# Altium PCB MAIN_BOARD_V3.PcbDoc (part 3 of 4) (continued)
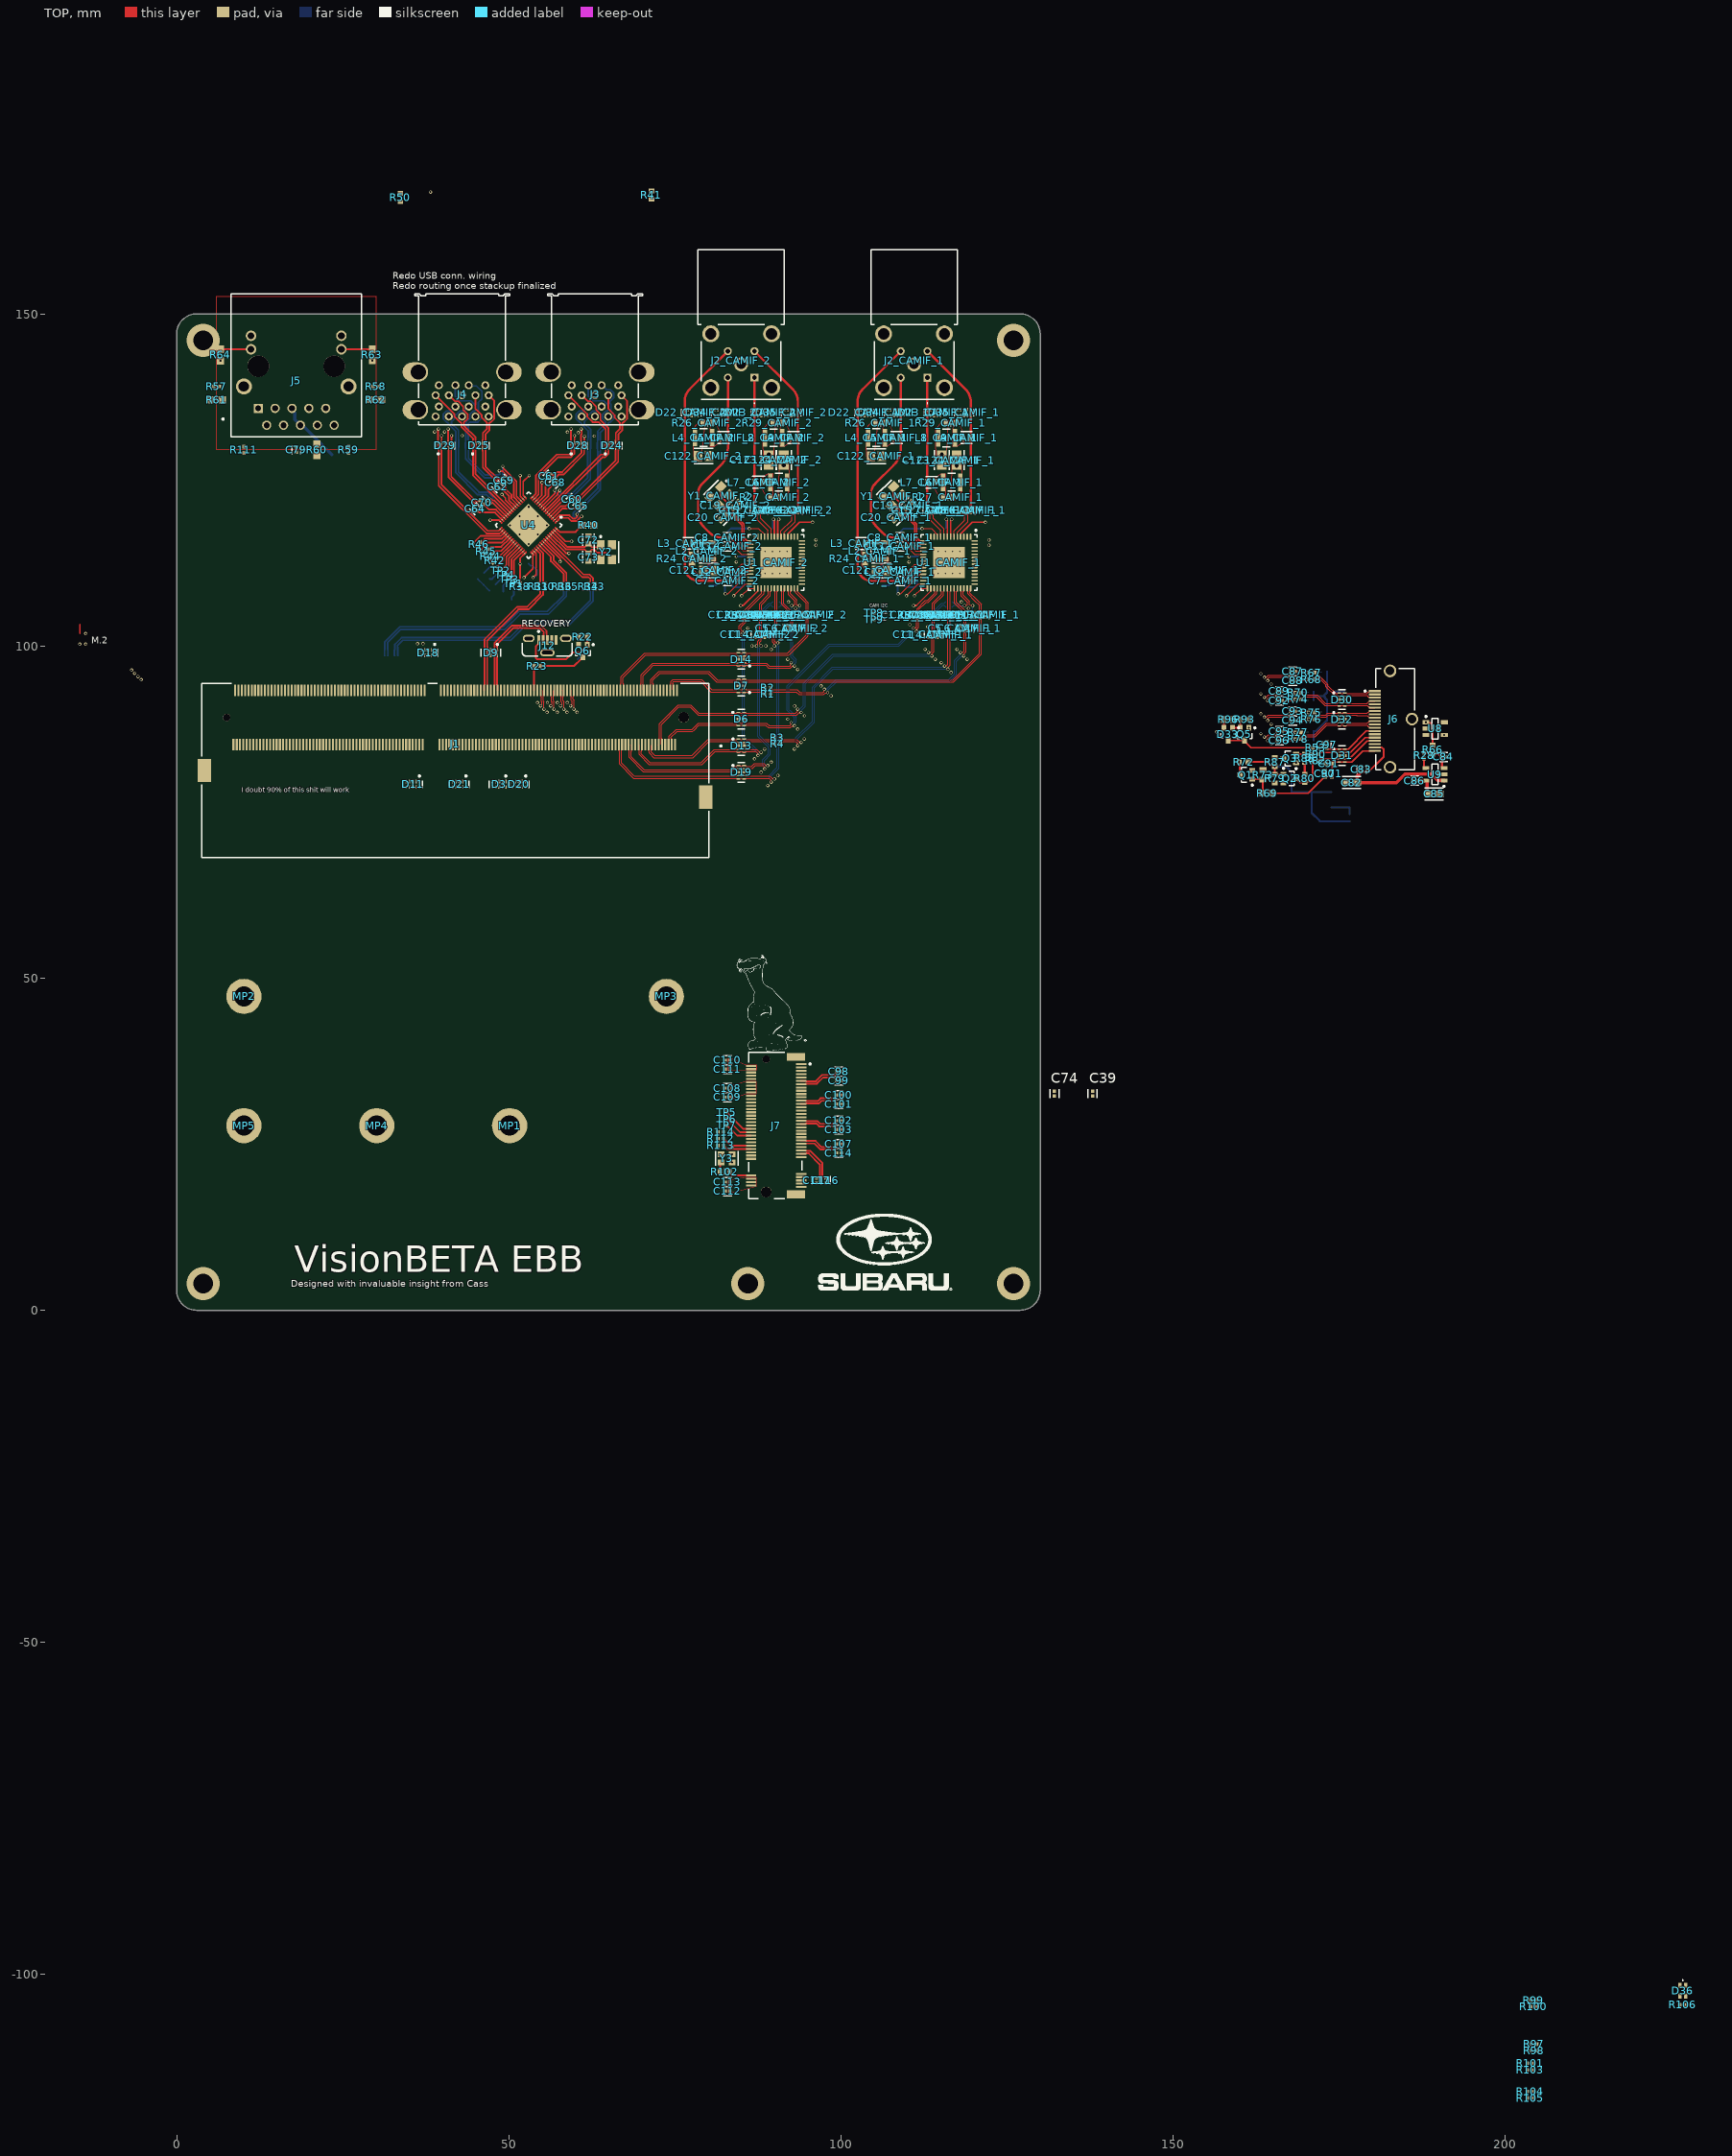
[diagram p0: TOP view]
## Nets (pads, with @x,y where several pads share a name; then routed paths per layer and width w, separated by ;. In a path a pad name is that pad's centre, name@x,y a point inside that pad or via, vN(x,y) a via of type N, cw(c..) or ccw(c..) an arc to the next point about the centre after c; other vN are vias at no path point) (continued)
  TOP w0.168: U1_CAMIF_2.36@90.495,108.7 90.495,108.328 90.392,108.225 90.392,107.012 90.392,105.373 90.49,105.274 90.767,105.274 90.92,105.122 C4_CAMIF_2.2@90.92,105.088
DA1_CAMIF_2_P: C3_CAMIF_2.2 U1_CAMIF_2.35 | length 4
  TOP w0.168: C3_CAMIF_2.2@89.57,105.088 89.57,105.122 89.722,105.274 89.999,105.274 90.097,105.373 90.097,107.134 90.097,108.225 89.995,108.328 U1_CAMIF_2.35@89.995,108.7
DA2_CAMIF_1_N: C6_CAMIF_1.2 U1_CAMIF_1.38 | length 6.6
  TOP w0.168: U1_CAMIF_1.38@117.519,108.692 117.519,108.32 117.416,108.217 117.416,106.586 118.816,105.186 118.816,103.346 118.914,103.248 119.192,103.248 119.344,103.095 C6_CAMIF_1.2@119.344,103.062
DA2_CAMIF_1_P: C5_CAMIF_1.2 U1_CAMIF_1.37 | length 6.6
  TOP w0.168: U1_CAMIF_1.37@117.019,108.692 117.019,108.32 117.122,108.217 117.122,106.464 118.522,105.064 118.522,103.346 118.423,103.248 118.146,103.248 117.994,103.095 C5_CAMIF_1.2@117.994,103.062
DA2_CAMIF_2_N: C6_CAMIF_2.2 U1_CAMIF_2.38 | length 6.7
  TOP w0.168: U1_CAMIF_2.38@91.495,108.7 91.495,108.328 91.392,108.225 91.392,106.391 92.792,104.991 92.792,103.168 92.89,103.07 C6_CAMIF_2.2@93.32,103.07
DA2_CAMIF_2_P: C5_CAMIF_2.2 U1_CAMIF_2.37 | length 6.7
  TOP w0.168: U1_CAMIF_2.37@90.995,108.7 90.995,108.328 91.097,108.225 91.097,106.269 92.497,104.869 92.497,103.168 92.399,103.07 C5_CAMIF_2.2@91.97,103.07
DA3_CAMIF_1_N: C10_CAMIF_1.2 U1_CAMIF_1.42 | length 4.8
  TOP w0.168: U1_CAMIF_1.42@119.519,108.692 119.519,108.32 119.416,108.217 119.416,107.975 120.198,107.194 121.116,106.275 121.116,105.34 121.214,105.242 121.492,105.242 121.644,105.089 C10_CAMIF_1.2@121.644,105.056
DA3_CAMIF_1_P: C9_CAMIF_1.2 U1_CAMIF_1.41 | length 4.8
  TOP w0.168: U1_CAMIF_1.41@119.019,108.692 119.019,108.32 119.122,108.217 119.122,107.853 120.076,106.899 120.822,106.153 120.822,105.34 120.723,105.242 120.446,105.242 120.294,105.089 C9_CAMIF_1.2@120.294,105.056
DA3_CAMIF_2_N: C10_CAMIF_2.2 U1_CAMIF_2.42 | length 4.7
  TOP w0.168: U1_CAMIF_2.42@93.495,108.7 93.479,108.685 93.479,108.138 94.174,107.443 95.092,106.525 95.092,105.348 95.19,105.249 95.467,105.249 95.62,105.097 C10_CAMIF_2.2@95.62,105.063
DA3_CAMIF_2_P: C9_CAMIF_2.2 U1_CAMIF_2.41 | length 4.8
  TOP w0.168: U1_CAMIF_2.41@92.995,108.7 92.995,108.328 93.185,108.138 93.185,108.016 94.052,107.149 94.797,106.403 94.797,105.348 94.699,105.249 94.422,105.249 94.27,105.097 C9_CAMIF_2.2@94.27,105.063
DP1_AUX_N: D20.4 D20.7 J1.98 Q2.2 R79.1
DP1_AUX_P: D20.5 D20.6 J1.100 Q3.3 R87.1
DP1_HPD: D20.2 D20.9 J1.96 Q1.3 R72.1 | length 2
  TOP w0.168: v1(159.975,82.55) R72.1@160.025,82.5
  TOP w0.3: Q1.3@160.025,80.6 R72.1@160.025,82.5
  other v1: 156.53,87.055
DP1_TXD0_N: C88.1 D8.1 D8.10 J1.63 | length 7.3
  TOP w0.168: v1(59.8,90.5) 59.8,91.859 59.697,91.961 59.697,92.367 59.734,92.403 59.734,93.284 J1.63@59.8,93.35 ; v1(164.254,94.779) 164.283,94.808 164.283,95.123 164.492,95.331 167.569,95.331 167.667,95.233 C88.1@167.667,94.779
DP1_TXD0_P: C87.1 D8.2 D8.9 J1.65 | length 7.1
  TOP w0.168: v1(59.3,91) 59.3,91.059 59.505,91.264 59.505,91.737 59.403,91.839 59.403,92.367 59.366,92.403 59.366,93.284 J1.65@59.3,93.35 ; v1(163.731,95.301) 163.76,95.331 164.075,95.331 164.37,95.626 167.569,95.626 167.667,95.724 C87.1@167.667,96.179
DP1_TXD1_N: C92.1 D8.4 D8.7 J1.69 | length 5.3
  TOP w0.168: v1(58.3,90.5) v1(58.3,90.5) 58.301,91.65 58.197,91.754 58.197,92.367 58.234,92.403 58.234,93.284 J1.69@58.3,93.35 ; v1(164.254,91.779) 164.283,91.808 164.283,92.123 164.492,92.331 165.569,92.331 165.667,92.233 C92.1@165.667,91.779
DP1_TXD1_P: C89.1 D8.5 D8.6 J1.71 | length 5.1
  TOP w0.168: v1(57.8,91) 57.8,91.058 58.007,91.264 58.007,91.528 57.903,91.632 57.903,92.367 57.866,92.403 57.866,93.284 J1.71@57.8,93.35 ; v1(163.731,92.301) 163.76,92.331 164.075,92.331 164.37,92.626 165.569,92.626 165.667,92.724 C89.1@165.667,93.179
DP1_TXD2_N: C94.1 D15.1 D15.10 J1.75 | length 7.3
  TOP w0.168: v1(56.8,90.5) 56.801,90.501 56.801,91.65 56.697,91.754 56.697,92.367 56.734,92.403 56.734,93.284 J1.75@56.8,93.35 ; v1(164.254,88.779) 164.283,88.808 164.283,89.123 164.492,89.331 167.569,89.331 167.667,89.233 C94.1@167.667,88.779
DP1_TXD2_P: C93.1 D15.2 D15.9 J1.77 | length 7.1
  TOP w0.168: v1(56.3,91) 56.3,91.058 56.507,91.264 56.507,91.528 56.403,91.632 56.403,92.367 56.366,92.403 56.366,93.284 J1.77@56.3,93.35 ; v1(163.731,89.301) 163.76,89.331 164.075,89.331 164.37,89.626 167.569,89.626 167.667,89.724 C93.1@167.667,90.179
DP1_TXD3_N: C96.1 D15.4 D15.7 J1.81 | length 5.3
  TOP w0.168: v1(55.3,90.5) v1(55.3,90.5) 55.301,91.65 55.197,91.754 55.197,92.367 55.234,92.403 55.234,93.284 J1.81@55.3,93.35 ; v1(164.254,85.779) 164.283,85.808 164.283,86.123 164.492,86.331 165.569,86.331 165.667,86.233 C96.1@165.667,85.779
DP1_TXD3_P: C95.1 D15.5 D15.6 J1.83 | length 5.1
  TOP w0.168: v1(54.8,91) 54.8,91.058 55.007,91.264 55.007,91.528 54.903,91.632 54.903,92.367 54.866,92.403 54.866,93.284 J1.83@54.8,93.35 ; v1(163.731,86.301) 163.76,86.331 164.075,86.331 164.37,86.626 165.569,86.626 165.667,86.724 C95.1@165.667,87.179
DP_HDMI_CEC: D20.1 D20.10 J1.94 R93.1
ETH_GND: C79.1 J5.11 J5.12 R57.2 R58.2 R59.2 R60.2 R61.2 R62.2 R111.2
GBE_LED_ACT: J1.194 J5.L4
GBE_LED_LINK: J1.188 J5.L2
GBE_MDI0_N: D5.1 D5.10 J1.184 J5.2
GBE_MDI0_P: D5.2 D5.9 J1.186 J5.1
GBE_MDI1_N: D5.4 D5.7 J1.190 J5.4
GBE_MDI1_P: D5.5 D5.6 J1.192 J5.3
GBE_MDI2_N: D12.1 D12.10 J1.196 J5.8
GBE_MDI2_P: D12.2 D12.9 J1.198 J5.7
GBE_MDI3_N: D12.4 D12.7 J1.202 J5.10
GBE_MDI3_P: D12.5 D12.6 J1.204 J5.9
GND: C19_CAMIF_1.2 C19_CAMIF_2.2 C20_CAMIF_1.2 C20_CAMIF_2.2 C21_CAMIF_1.2 C21_CAMIF_2.2 C22_CAMIF_1.1 C22_CAMIF_2.1 C23_CAMIF_1.2 C23_CAMIF_2.2 C24_CAMIF_1.1 C24_CAMIF_2.1 C25_CAMIF_1.2 C25_CAMIF_2.2 C26_CAMIF_1.1 C26_CAMIF_2.1 C27_CAMIF_1.2 C27_CAMIF_2.2 C28_CAMIF_1.1 C28_CAMIF_2.1 C29_CAMIF_1.2 C29_CAMIF_2.2 C30_CAMIF_1.1 C30_CAMIF_2.1 C31_CAMIF_1.2 C31_CAMIF_2.2 C32_CAMIF_1.1 C32_CAMIF_2.1 C33_CAMIF_1.2 C33_CAMIF_2.2 C34_CAMIF_1.1 C34_CAMIF_2.1 C35_CAMIF_1.2 C35_CAMIF_2.2 C36_CAMIF_1.1 C36_CAMIF_2.1 C37.2 C38.1 C40_CAMIF_1.2 C40_CAMIF_2.2 C41_CAMIF_1.2 C41_CAMIF_2.2 C42_CAMIF_1.1 C42_CAMIF_2.1 C43_CAMIF_1.1 C43_CAMIF_2.1 C44.1 C45.1 C46.1 C47.1 C48.1 C49.2 C50.1 C51.1 C52.1 C53.1 C54.1 C55.1 C56.1 C57.1 C58.1 C59.2 C63.2 C66.1 C67.1 C71.2 C72.2 C73.2 C77.2 C78.1 C79.2 C80.1 C81.1 C82.2 C83.1 C84.1 C85.2 C86.1 C90.1 C91.1 C97.2 C104.2 C105.2 C106.2 C108.1 C109.1 C110.1 C111.1 C112.1 C113.1 C115.1 C118.2 C119.1 C121_CAMIF_1.2 C121_CAMIF_2.2 C122_CAMIF_1.2 C122_CAMIF_2.2 C123_CAMIF_1.2 C123_CAMIF_2.2 C124_CAMIF_1.2 C124_CAMIF_2.2 C125.1 D1.3 D1.8 D2.3 D2.8 D3.3 D3.8 D4.3 D4.8 D5.3 D5.8 D6.3 D6.8 D7.3 D7.8 D8.3 D8.8 D9.3 D9.8 D10.3 D10.8 D11.3 D11.8 D12.3 D12.8 D13.3 D13.8 D14.3 D14.8 D15.3 D15.8 D16.3 D16.8 D17.3 D17.8 D18.3 D18.8 D19.3 D19.8 D20.3 D20.8 D21.3 D21.8 D22_CAMIF_1.3 D22_CAMIF_1.8 D22_CAMIF_2.3 D22_CAMIF_2.8 D23_CAMIF_1.3 D23_CAMIF_1.8 D23_CAMIF_2.3 D23_CAMIF_2.8 D24.3 D24.8 D25.3 D25.8 D26.3 D26.8 D27.3 D27.8 D28.3 D28.8 D29.3 D29.8 D30.3 D30.8 D31.3 D31.8 D32.3 D32.8 D34_CAMIF_1.3 D34_CAMIF_1.8 D34_CAMIF_2.3 D34_CAMIF_2.8 D35_CAMIF_1.3 D35_CAMIF_1.8 D35_CAMIF_2.3 D35_CAMIF_2.8 J1.1 J1.2 J1.7 J1.8 J1.13 J1.14 J1.19 J1.20 J1.25 J1.26 J1.31 J1.32 J1.37 J1.38 J1.43 J1.44 J1.49 J1.50 J1.55 J1.56 J1.61 J1.62 J1.67 J1.68 J1.73 J1.74 J1.79 J1.80 J1.85 J1.86 J1.102 J1.107 J1.113 J1.119 J1.125 J1.129 J1.132 J1.135 J1.138 J1.141 J1.144 J1.146 J1.147 J1.152 J1.153 J1.158 J1.159 J1.164 J1.165 J1.170 J1.171 J1.176 J1.177 J1.200 J1.201 J1.231 J1.241 J1.242 J1.243 J1.244 J1.245 J1.246 J1.247 J1.248 J1.249 J1.250 J1.261 J1.262 J2_CAMIF_1.MH1 J2_CAMIF_1.MH2 J2_CAMIF_1.MH3 J2_CAMIF_1.MH4 J2_CAMIF_1.MH5 J2_CAMIF_2.MH1 J2_CAMIF_2.MH2 J2_CAMIF_2.MH3 J2_CAMIF_2.MH4 J2_CAMIF_2.MH5 J3.A4 J3.A7 J3.B4 J3.B7 J3.Shell J4.A4 J4.A7 J4.B4 J4.B7 J4.Shell J6.2 J6.5 J6.8 J6.11 J6.17 J6.20 J6.21 J6.22 J7.1 J7.3 J7.9 J7.15 J7.21 J7.27 J7.33 J7.39 J7.45 J7.51 J7.57 J7.71 J7.73 J7.75 J7.76 J7.77 J12.5 J12.6 J12.7 J12.8 MP1.1 MP2.1 MP3.1 MP4.1 MP5.1 Q1.2 Q4.2 Q6.2 R10_CAMIF_1.1 R10_CAMIF_2.1 R11_CAMIF_1.1 R11_CAMIF_2.1 R15_CAMIF_1.1 R15_CAMIF_2.1 R16_CAMIF_1.1 R16_CAMIF_2.1 R18_CAMIF_1.1 R18_CAMIF_2.1 R19_CAMIF_1.1 R19_CAMIF_2.1 R20_CAMIF_1.1 R20_CAMIF_2.1 R22.1 R25.1 R39.1 R40.2 R47.1 R49.2 R57.1 R58.1 R59.1 R60.1 R61.1 R62.1 R65.1 R73.1 R95.1 R107.1 R109.1 R111.1 U1_CAMIF_1.57 U1_CAMIF_2.57 U2_CAMIF_1.1 U2_CAMIF_2.1 U3_CAMIF_1.1 U3_CAMIF_2.1 U4.57 U5.2 U6.2 U7.1 U8.2 U9.2 U11.1 Y1_CAMIF_1.2 Y1_CAMIF_1.4 Y1_CAMIF_2.2 Y1_CAMIF_2.4 Y2.2 Y2.4 Y3.2
  other v1: 93,84.5 164.773,85.259 94.5,86 163.219,86.813 93.508,87.483 164.773,88.259 92,88.991 94.508,89.492 163.219,89.813 55.773,90.027 57.273,90.027 58.773,90.027 60.273,90.027 93.024,90.97 164.773,91.259 54.316,91.475 55.816,91.475 57.316,91.475 58.816,91.475 98.508,92.492 163.219,92.813 97,94 164.773,94.259 163.219,95.813 116.594,96 93.508,96.492 115.086,97.508 92,97.998 114.194,98 118.994,98 89.494,99.494 112.686,99.508 117.486,99.508 86.593,100 88.697,100 90.994,100.994 84.494,101.198 92,101.3 93.325,101.3 111.894,101.71 85.994,102.698 87.195,102.9 88.62,102.9 113.075,102.9 114.675,102.9 110.386,103.218 93.195,105.65 119.219,105.642 92.099,106.629 118.123,106.622 57.199,108.527 59.753,108.527 61.199,108.527 63.759,108.527 52.975,115.377 51.6,116.802 54.35,116.802 50.2,118.177 52.975,118.177 55.75,118.177 51.6,119.552 54.35,119.552 52.975,120.952 62.875,131.6 42.975,131.675 60.45,132.125 58.825,132.2 38.825,132.225 40.35,132.225
  other v2: 88.595,110.925 89.695,110.925 90.795,110.925 91.895,110.925 114.619,110.917 115.719,110.917 116.819,110.917 117.919,110.917 88.595,112.025 89.695,112.025 90.795,112.025 91.895,112.025 114.619,112.017 115.719,112.017 116.819,112.017 117.919,112.017 114.619,113.117 115.719,113.117 116.819,113.117 117.919,113.117 88.595,113.125 89.695,113.125 90.795,113.125 91.895,113.125 88.595,114.225 89.695,114.225 90.795,114.225 91.895,114.225 114.619,114.217 115.719,114.217 116.819,114.217 117.919,114.217
  other v4: 4,4 86,4 126,4 4,146 126,146
GPIO08_FAN_TACH: J1.208
GPIO09_AUD_MCLK: J1.211
GPIO14_FAN_PWM: J1.230
HDMI_1V8: C37.1 Q2.1 R54.2 R72.2 R79.2 R87.2 U11.2 U11.4 | length 28
  TOP w0.3: R72.2@161.275,82.55 164.125,82.55 164.644,82.031 165.169,82.031 v1(165.325,81.875) R79.2@165.325,80.7 Q2.1@166.625,80.7
  BOTTOM w0.3: v1(165.325,81.875) 167.05,81.875 167.825,81.1 167.825,78.125 U11.4@167.925,78.025 170.85,78.025 ; U11.2@173.825,78.025 170.85,78.025 ; R54.2@176.575,73.625 172.125,73.625 170.85,74.9 170.85,78.025
HDMI_CEC: C97.1 D31.1 D31.10 J6.13 R53.2 | length 9.7
  TOP w0.2: R53.2@171.925,84.675 C97.1@173.15,84.675 173.15,84.65 173.3,84.5 D31.1@175.028,84.5 D31.10@175.863,84.5 176.375,84.5 179.085,87.21 J6.13@180.37,87.21
HDMI_CLK_N: D32.5 D32.6 J6.12 R78.2 | length 12.3
  TOP w0.168: R78.2@169.3,85.979 169.491,86.17 169.491,86.233 169.589,86.331 171.438,86.331 173.184,88.078 174.742,88.078 174.845,87.975 D32.5@175.028,87.975 175.21,87.975 175.313,88.078 175.577,88.078 175.68,87.975 D32.6@175.863,87.975 176.045,87.975 176.148,88.078 177.592,88.078 177.607,88.063 179.205,88.063 179.393,87.875 179.456,87.875 179.62,87.71 J6.12@180.37,87.71
HDMI_CLK_P: D32.4 D32.7 J6.10 R77.2 | length 12.3
  TOP w0.168: R77.2@169.3,86.979 169.491,86.787 169.491,86.724 169.589,86.626 171.316,86.626 173.062,88.372 174.742,88.372 174.845,88.475 D32.4@175.028,88.475 175.21,88.475 175.313,88.372 175.577,88.372 175.68,88.475 D32.7@175.863,88.475 176.045,88.475 176.148,88.372 177.714,88.372 177.729,88.357 179.205,88.357 179.393,88.545 179.456,88.545 179.62,88.71 J6.10@180.37,88.71
HDMI_D0_N: D32.2 D32.9 J6.9 R76.2 | length 9.7
  TOP w0.168: R76.2@171.3,88.979 171.491,89.17 171.491,89.233 171.589,89.331 173.111,89.331 173.357,89.578 174.742,89.578 174.845,89.475 D32.2@175.028,89.475 175.21,89.475 175.313,89.578 175.577,89.578 175.68,89.475 D32.9@175.863,89.475 176.045,89.475 176.148,89.578 177.592,89.578 177.607,89.563 179.205,89.563 179.393,89.375 179.456,89.375 179.62,89.21 J6.9@180.37,89.21
HDMI_D0_P: D32.1 D32.10 J6.7 R75.2 | length 9.7
  TOP w0.168: R75.2@171.3,89.979 171.491,89.787 171.491,89.724 171.589,89.626 172.989,89.626 173.235,89.872 174.742,89.872 174.845,89.975 D32.1@175.028,89.975 175.21,89.975 175.313,89.872 175.577,89.872 175.68,89.975 D32.10@175.863,89.975 176.045,89.975 176.148,89.872 177.714,89.872 177.729,89.857 179.205,89.857 179.393,90.045 179.456,90.045 179.62,90.21 J6.7@180.37,90.21
HDMI_D1_N: D30.5 D30.6 J6.6 R74.2 | length 12.1
  TOP w0.168: R74.2@169.3,91.979 169.491,92.17 169.491,92.233 169.589,92.331 171.55,92.331 172.828,91.053 174.742,91.053 174.845,90.95 D30.5@175.028,90.95 175.21,90.95 175.313,91.053 175.577,91.053 175.68,90.95 D30.6@175.863,90.95 176.045,90.95 176.148,91.053 177.543,91.053 177.553,91.063 179.205,91.063 179.393,90.875 179.456,90.875 179.62,90.71 J6.6@180.37,90.71
HDMI_D1_P: D30.4 D30.7 J6.4 R70.2 | length 12.1
  TOP w0.168: R70.2@169.3,92.979 169.491,92.787 169.491,92.724 169.589,92.626 171.672,92.626 172.95,91.347 174.742,91.347 174.845,91.45 D30.4@175.028,91.45 175.21,91.45 175.313,91.347 175.577,91.347 175.68,91.45 D30.7@175.863,91.45 176.045,91.45 176.148,91.347 177.421,91.347 177.431,91.357 179.205,91.357 179.393,91.545 179.456,91.545 179.62,91.71 J6.4@180.37,91.71
HDMI_D2_N: D30.2 D30.9 J6.3 R68.2 | length 10.9
  TOP w0.168: R68.2@171.3,94.979 171.491,95.17 171.491,95.233 171.589,95.331 171.826,95.331 173.031,94.127 173.031,93.894 174.372,92.553 174.742,92.553 174.845,92.45 D30.2@175.028,92.45 175.21,92.45 175.313,92.553 175.577,92.553 175.68,92.45 D30.9@175.863,92.45 176.045,92.45 176.148,92.553 177.716,92.553 177.726,92.563 179.205,92.563 179.393,92.375 179.456,92.375 179.62,92.21 J6.3@180.37,92.21
HDMI_D2_P: D30.1 D30.10 J6.1 R67.2 | length 10.9
  TOP w0.168: R67.2@171.3,95.979 171.491,95.787 171.491,95.724 171.589,95.626 171.948,95.626 173.325,94.249 173.325,94.016 174.494,92.847 174.742,92.847 174.845,92.95 D30.1@175.028,92.95 175.21,92.95 175.313,92.847 175.577,92.847 175.68,92.95 D30.10@175.863,92.95 176.045,92.95 176.148,92.847 177.594,92.847 177.604,92.857 179.205,92.857 179.393,93.045 179.456,93.045 179.62,93.21 J6.1@180.37,93.21
HDMI_HP_DET: C91.2 D31.5 D31.6 J6.19 R71.2 | length 8.4
  TOP w0.2: R71.2@173.925,81.225 173.925,82.255 C91.2@173.855,82.325 174.03,82.5 D31.5@175.028,82.5 D31.6@175.863,82.5 176.875,82.5 178.585,84.21 J6.19@180.37,84.21
HDMI_nSLEEP: R65.2 U8.4
  other v1: 190.825,86.625
HDMI_SCL: D31.2 D31.9 J6.15 R90.2 | length 9.5
  TOP w0.2: R90.2@171.925,83.7 172.225,84 D31.2@175.028,84 D31.9@175.863,84 176.7,84 178.91,86.21 J6.15@180.37,86.21
HDMI_SDA: D31.4 D31.7 J6.16 R82.2 | length 9.7
  TOP w0.2: R82.2@171.925,82.725 172.2,83 D31.4@175.028,83 D31.7@175.863,83 176.525,83 179.235,85.71 J6.16@180.37,85.71
I2C0_SCL: D2.4 D2.7 J1.185
I2C0_SDA: D2.5 D2.6 J1.187
I2S0_DIN: D4.2 D4.9 J1.195
I2S0_DOUT: D4.1 D4.10 J1.193
I2S0_FS: D4.4 D4.7 J1.197
I2S0_SCLK: D4.5 D4.6 J1.199
NetC12_CAMIF_1_2: C12_CAMIF_1.2 R10_CAMIF_1.2
  other v1: 108.536,111.142
NetC12_CAMIF_2_2: C12_CAMIF_2.2 R10_CAMIF_2.2
  other v1: 82.512,111.15
NetC13_CAMIF_1_2: C13_CAMIF_1.2 R11_CAMIF_1.2
  other v1: 108.536,114.992
NetC13_CAMIF_2_2: C13_CAMIF_2.2 R11_CAMIF_2.2
  other v1: 82.512,115
NetC17_CAMIF_1_2: C17_CAMIF_1.2 R18_CAMIF_1.2
  other v1: 114.351,120.806
NetC17_CAMIF_2_2: C17_CAMIF_2.2 R18_CAMIF_2.2
  other v1: 88.326,120.813
NetC18_CAMIF_1_2: C18_CAMIF_1.2 R19_CAMIF_1.2
  other v1: 118.201,120.806
NetC18_CAMIF_2_2: C18_CAMIF_2.2 R19_CAMIF_2.2
  other v1: 92.177,120.813
NetC21_CAMIF_1_1: C21_CAMIF_1.1 C22_CAMIF_1.2 U1_CAMIF_1.8 | length 4
  TOP w0.254: v1(115.869,119.067) 115.869,119.001 116.019,118.851 U1_CAMIF_1.8@116.019,116.442
  BOTTOM w0.3: C21_CAMIF_1.1@115.856,117.767 115.808,117.815 115.808,119.007 v1(115.869,119.067)
NetC21_CAMIF_2_1: C21_CAMIF_2.1 C22_CAMIF_2.2 U1_CAMIF_2.8 | length 4
  TOP w0.254: v1(89.845,119.075) 89.845,119.008 89.995,118.858 U1_CAMIF_2.8@89.995,116.45
  BOTTOM w0.3: C21_CAMIF_2.1@89.832,117.775 89.784,117.823 89.784,119.015 v1(89.845,119.075)
NetC23_CAMIF_1_1: C23_CAMIF_1.1 C24_CAMIF_1.2 U1_CAMIF_1.20 | length 1.3
  BOTTOM w0.3: v1(110.269,113.467) 111.531,113.467 C23_CAMIF_1.1@111.569,113.505
NetC23_CAMIF_2_1: C23_CAMIF_2.1 C24_CAMIF_2.2 U1_CAMIF_2.20 | length 1.3
  BOTTOM w0.3: v1(84.245,113.475) 85.507,113.475 C23_CAMIF_2.1@85.545,113.513
NetC38_2: C38.2 R55.2 U11.3 | length 3.8
  BOTTOM w0.3: U11.3@173.825,75.725 C38.2@176.575,75.725 R55.2@176.575,74.725
NetC39_2: C39.2 R35.2
NetC60_1: C60.1 U4.4 | length 3.8
  TOP w0.266: U4.4@56.377,119.599 57.83,121.052 58.537,121.052 C60.1@59.3,121.815
NetC61_1: C61.1 U4.11 | length 4.3
  TOP w0.266: U4.11@54.389,121.571 55.55,122.732 55.55,124.943 55.788,125.181 C61.1@55.788,125.327
NetC62_1: C62.1 U4.20 | length 3.9
  TOP w0.266: C62.1@48.578,123.737 48.602,123.713 48.939,123.713 50.032,122.619 50.032,121.968 U4.20@50.987,121.014
NetC64_1: C64.1 U4.27 | length 4.3
  TOP w0.266: C64.1@45.237,120.402 45.317,120.402 45.617,120.102 47.939,120.102 U4.27@49.015,119.025
NetC65_1: C65.1 U4.3 | length 4.2
  TOP w0.266: U4.3@56.66,119.316 58.021,120.677 59.916,120.677 60.104,120.865 C65.1@60.25,120.865
NetC68_1: C68.1 U4.10 | length 3.9
  TOP w0.266: U4.10@54.672,121.288 55.975,122.591 55.975,123.614 C68.1@56.738,124.377
NetC69_1: C69.1 U4.19 | length 4.1
  TOP w0.266: C69.1@49.528,124.687 49.528,123.649 50.4,122.777 50.4,122.166 U4.19@51.27,121.296
NetC70_1: C70.1 U4.26 | length 4
  TOP w0.266: C70.1@46.187,121.352 47.012,120.527 48.079,120.527 U4.26@49.298,119.308
NetC74_2: C74.2 R36.2
NetC80_2: C80.2 J5.5 J5.6 | length 9.6
  BOTTOM w0.5: J5.5@17.37,135.78 J5.5@17.365,135.775 17.365,135.534 17.8,135.099 17.8,134.07 18.805,133.065 19.108,133.065 23.35,128.822 C80.2@23.35,128.817 C80.2@23.345,128.822
NetC84_2: C84.2 R28.1 R66.1 U9.3 | length 4.9
  TOP w0.3: R28.1@187.775,83.95 187.875,83.85 188.995,83.85 R66.1@189.095,83.75 189.908,83.75 190.239,83.42 190.239,83.386 190.325,83.3 190.392,83.3 190.478,83.214 190.478,81.775 190.628,81.625 U9.3@190.8,81.625
NetC90_2: C90.2 R69.2 R71.1 | length 10.1
  TOP w0.2: R69.2@164.9,77.85 170.305,77.85 172.62,80.165 172.64,80.165 172.85,80.375 C90.2@172.85,80.395 172.92,80.325 R71.1@173.925,80.325
NetD33_1: D33.1 Q5.2 R93.2 | length 2.4
  TOP w0.3: D33.1@158.946,87.679 Q5.2@160.096,87.679 160.121,87.704 160.121,88.929 R93.2@160.146,88.954
NetD33_2: D33.2 R96.1 | length 1.3
  TOP w0.3: R96.1@157.596,88.954 157.646,88.904 D33.2@157.646,87.679
NetD33_3: D33.3 Q5.3 R53.1 | length 13.2
  TOP w0.2: D33.3@158.296,85.779 Q5.3@160.746,85.779 160.746,85.679 161.749,84.675 R53.1@171.025,84.675
NetD36_1: D36.1 R107.2
  other v1: -13.675,100.275
NetD36_3: D36.3 R106.2 | length 1.3
  TOP w0.266: -14.575,101.875 -14.575,103.2
NetD36_4: D36.4 R25.2
  other v1: -14.575,100.275
NetFB1_1: FB1.1 FB2.1 FB3.1 FB4.1 FB5.1 FB6.1 FB7.1 FB8.1 Q4.3 | length 14.4
  BOTTOM w0.3: FB8.1@171.188,85.85 171.188,87.15 171.238,87.2 171.543,87.2 172.839,88.496 172.839,88.502 173.088,88.75 173.138,88.75 173.188,88.8 FB5.1@173.188,90.1 173.188,91.85 172.862,92.175 172.862,92.275 Q4.3@172.662,92.475 ; FB4.1@171.188,91.85 171.188,92.475 ; FB3.1@171.188,93.1 171.188,92.475 ; FB1.1@173.188,96.1 FB2.1@173.188,94.85 173.188,93 Q4.3@172.662,92.475 ; 171.188,92.475 Q4.3@172.562,92.475 Q4.3@172.662,92.475
NetFB1_2: FB1.2 R81.2 | length 1
  BOTTOM w0.168: R81.2@171.425,96.1 172.35,96.1 FB1.2@172.375,96.125
NetFB2_2: FB2.2 R83.2 | length 0.9
  BOTTOM w0.168: R83.2@171.425,94.85 172.272,94.85 FB2.2@172.343,94.779
NetFB3_2: FB3.2 R84.2 | length 1
  BOTTOM w0.168: R84.2@169.425,93.1 FB3.2@170.388,93.1
NetFB4_2: FB4.2 R85.2 | length 1
  BOTTOM w0.168: R85.2@169.425,91.85 FB4.2@170.388,91.85
NetFB5_2: FB5.2 R86.2 | length 1
  BOTTOM w0.168: R86.2@171.425,90.1 FB5.2@172.388,90.1
NetFB6_2: FB6.2 R89.2 | length 1
  BOTTOM w0.168: R89.2@171.425,88.85 FB6.2@172.388,88.85
NetFB7_2: FB7.2 R91.2 | length 1
  BOTTOM w0.168: R91.2@169.425,87.1 FB7.2@170.388,87.1
NetFB8_2: FB8.2 R92.2 | length 1
  BOTTOM w0.168: R92.2@169.425,85.85 FB8.2@170.388,85.85
NetJ5_L1: J5.L1 R63.1 | length 4.6
  TOP w0.3: J5.L1@24.8,144.675 R63.1@29.45,144.675
NetJ5_L3: J5.L3 R64.1 | length 4.9
  TOP w0.3: R64.1@6.6,144.675 J5.L3@11.2,144.675 J5.L3@11.55,144.675
NetJ7_68: J7.68 R102.1 | length 3.5
  TOP w0.3: R102.1@83.25,20.867 83.25,20.742 83.695,20.297 J7.68@86.475,20.297
NetL2_CAMIF_1_2: L2_CAMIF_1.2 L3_CAMIF_1.1 R24_CAMIF_1.2
NetL2_CAMIF_2_2: L2_CAMIF_2.2 L3_CAMIF_2.1 R24_CAMIF_2.2
NetL4_CAMIF_1_2: L4_CAMIF_1.2 L5_CAMIF_1.1 R26_CAMIF_1.2
NetL4_CAMIF_2_2: L4_CAMIF_2.2 L5_CAMIF_2.1 R26_CAMIF_2.2
NetL6_CAMIF_1_2: L6_CAMIF_1.2 L7_CAMIF_1.1 R27_CAMIF_1.2
NetL6_CAMIF_2_2: L6_CAMIF_2.2 L7_CAMIF_2.1 R27_CAMIF_2.2
NetL8_CAMIF_1_2: L8_CAMIF_1.2 L9_CAMIF_1.1 R29_CAMIF_1.2
NetL8_CAMIF_2_2: L8_CAMIF_2.2 L9_CAMIF_2.1 R29_CAMIF_2.2
NetQ1_1: Q1.1 R69.1 R73.2 | length 3.7
  TOP w0.3: Q1.1@161.925,79.95 163.45,79.95 R73.2@163.525,79.875 163.525,77.925 R69.1@163.45,77.85
NetQ2_3: Q2.3 R80.1 R82.1 | length 5.7
  TOP w0.3: Q2.3@168.525,80.05 168.625,80.05 168.825,79.85 168.825,79.75 169.126,79.449 169.801,79.449 R80.1@169.825,79.425 170.025,79.625 170.55,79.625 171.025,80.1 R82.1@171.025,82.725 R82.1@171.013,82.738
NetQ3_2: Q3.2 R88.1 R90.1 | length 2.5
  TOP w0.3: Q3.2@168.525,83.725 168.537,83.712 169.812,83.712 R88.1@169.825,83.7 R90.1@171.025,83.7
NetQ6_3: Q6.3 R23.1 | length 7
  TOP w0.3: R23.1@54.7,97 59.85,97 60.85,98 60.95,98 61.15,98.2 Q6.3@61.15,98.3
NetR9_CAMIF_1_1: R9_CAMIF_1.1 R14_CAMIF_1.1 U1_CAMIF_1.11 | length 15.7
  TOP w0.168: v1(112.222,117.67) 112.244,117.692 113.619,117.692 114.519,116.792 U1_CAMIF_1.11@114.519,116.442
  BOTTOM w0.3: R14_CAMIF_1.1@105.169,109.917 105.407,110.156 106.007,110.156 R9_CAMIF_1.1@106.219,110.367 106.219,114.469 109.442,117.692 112.2,117.692 v1(112.222,117.67)
NetR9_CAMIF_2_1: R9_CAMIF_2.1 R14_CAMIF_2.1 U1_CAMIF_2.11 | length 15.7
  TOP w0.168: v1(86.198,117.678) 86.22,117.7 87.595,117.7 88.495,116.8 U1_CAMIF_2.11@88.495,116.45
  BOTTOM w0.3: R14_CAMIF_2.1@79.145,109.925 79.383,110.163 79.983,110.163 R9_CAMIF_2.1@80.195,110.375 80.195,114.445 83.45,117.7 86.175,117.7 v1(86.198,117.678)
NetR12_CAMIF_1_1: R12_CAMIF_1.1 R15_CAMIF_1.2 U1_CAMIF_1.25 | length 7.5
  TOP w0.168: v1(108.619,107.867) 109.019,107.867 111.953,110.802 112.378,110.802 U1_CAMIF_1.25@112.394,110.817
  BOTTOM w0.168: R12_CAMIF_1.1@108.594,109.092 108.594,107.892 v1(108.619,107.867)
  BOTTOM w0.3: R12_CAMIF_1.1@108.569,109.092 108.569,107.842 R15_CAMIF_1.2@108.594,107.817
NetR12_CAMIF_2_1: R12_CAMIF_2.1 R15_CAMIF_2.2 U1_CAMIF_2.25 | length 7.5
  TOP w0.168: v1(82.595,107.875) 82.995,107.875 85.929,110.809 86.354,110.809 U1_CAMIF_2.25@86.37,110.825
  BOTTOM w0.168: R12_CAMIF_2.1@82.57,109.1 82.57,107.9 v1(82.595,107.875)
  BOTTOM w0.3: R12_CAMIF_2.1@82.545,109.1 82.545,107.85 R15_CAMIF_2.2@82.57,107.825
NetR13_CAMIF_1_1: R13_CAMIF_1.1 R16_CAMIF_1.2 U1_CAMIF_1.4 | length 4.9
  TOP w0.2: U1_CAMIF_1.4@118.019,116.442 118.029,116.452 118.029,116.877 119.769,118.617 v1(121.744,118.617)
NetR13_CAMIF_2_1: R13_CAMIF_2.1 R16_CAMIF_2.2 U1_CAMIF_2.4 | length 4.9
  TOP w0.2: U1_CAMIF_2.4@91.995,116.45 92.004,116.46 92.004,116.885 93.745,118.625 v1(95.72,118.625)
NetR28_2: R28.2 U9.4 | length 1.6
  TOP w0.3: R28.2@187.775,83.05 187.775,81.775 187.925,81.625 U9.4@188.05,81.625
NetR41_2: R41.2 R43.2 U5.3 U5.4
  other v1: 71.468,168.527
NetR50_2: R50.2 R52.2 U6.3 U6.4
  other v1: 38.2,168.352
NetR108_2: R108.2 R109.2 Y3.1 | length 2.2
  BOTTOM w0.266: R109.2@81.5,23.317 83.387,23.317 83.549,23.479 v1(83.613,23.479)
NetR113_2: R113.2
NetR114_2: R114.2
nFORCE_RECOVERY: J1.214
nMOD_SLEEP: J1.178
nSHUTDOWN_REQ: J1.233
nSYS_RESET: J1.239
PCIE0_CLK_N: C116.2 D18.1 D18.10 J1.160
PCIE0_CLK_P: C117.2 D18.2 D18.9 J1.162
PCIE0_nCLKREQ: J1.180
PCIE0_nRST: D2.2 D2.9 J1.181 R112.2
PCIE0_RX0_N: D10.1 D10.10 J1.131 R104.2
PCIE0_RX0_P: D10.2 D10.9 J1.133 R105.2
PCIE0_RX1_N: D10.4 D10.7 J1.137 R101.2
PCIE0_RX1_P: D10.5 D10.6 J1.139 R103.2
PCIE0_RX2_N: D17.1 D17.10 J1.149 R99.2
PCIE0_RX2_P: D17.2 D17.9 J1.151 R100.2
PCIE0_RX3_N: D17.4 D17.7 J1.155 R97.2
PCIE0_RX3_P: D17.5 D17.6 J1.157 R98.2
PCIE0_TX0_N: C107.2 D21.1 D21.10 J1.134
PCIE0_TX0_P: C114.2 D21.2 D21.9 J1.136
PCIE0_TX1_N: C102.2 D21.4 D21.7 J1.140
PCIE0_TX1_P: C103.2 D21.5 D21.6 J1.142
PCIE0_TX2_N: C100.2 D11.1 D11.10 J1.148
PCIE0_TX2_P: C101.2 D11.2 D11.9 J1.150
PCIE0_TX3_N: C98.2 D11.4 D11.7 J1.154
PCIE0_TX3_P: C99.2 D11.5 D11.6 J1.156
PCIE_32K_CLK: J1.210
PCIE_CLKREQ: J7.52 R113.1 | length 4.3
  TOP w0.266: R113.1@82.35,24.797 82.85,24.297 J7.52@86.475,24.297
PCIE_RST: J7.50 R112.1 | length 4.5
  TOP w0.266: R112.1@82.35,25.822 83.375,24.797 J7.50@86.475,24.797
PCIE_RX0_N: J7.41 R104.1
PCIE_RX0_P: J7.43 R105.1
PCIE_RX1_N: J7.29 R101.1
PCIE_RX1_P: J7.31 R103.1
PCIE_RX2_N: J7.17 R99.1
PCIE_RX2_P: J7.19 R100.1
PCIE_RX3_N: J7.5 R97.1
PCIE_RX3_P: J7.7 R98.1
PCIE_WAKE: D2.1 D2.10 J1.179
PLDWN_1: C87.2 R67.1 R81.1 | length 2.1
  TOP w0.168: C87.2@168.4,96.179 170.2,96.179 v1(170.4,95.979)
PLDWN_2: C88.2 R68.1 R83.1 | length 2.1
  TOP w0.168: C88.2@168.4,94.779 170.2,94.779 v1(170.4,94.979)
PLDWN_3: C89.2 R70.1 R84.1 | length 2.1
  TOP w0.168: C89.2@166.4,93.179 168.2,93.179 v1(168.4,92.979)
PLDWN_4: C92.2 R74.1 R85.1 | length 2.1
  TOP w0.168: C92.2@166.4,91.779 168.2,91.779 v1(168.4,91.979)
PLDWN_5: C93.2 R75.1 R86.1 | length 2.1
  TOP w0.168: C93.2@168.4,90.179 170.2,90.179 v1(170.4,89.979)
PLDWN_6: C94.2 R76.1 R89.1 | length 2.1
  TOP w0.168: C94.2@168.4,88.779 170.2,88.779 v1(170.4,88.979)
PLDWN_7: C95.2 R77.1 R91.1 | length 2.1
  TOP w0.168: C95.2@166.4,87.179 168.2,87.179 v1(168.4,86.979)
PLDWN_8: C96.2 R78.1 R92.1 | length 2.1
  TOP w0.168: C96.2@166.4,85.779 168.2,85.779 v1(168.4,85.979)
PoC_A_CAMIF_1: C7_CAMIF_1.2 D22_CAMIF_1.1 D22_CAMIF_1.10 J2_CAMIF_1.3 L3_CAMIF_1.2 | length 42.4
  TOP w0.355: 102.518,111.963 ccw(c104.689,111.963) 104.684,109.792 ccw(c104.689,111.963) 104.689,109.792 ; 102.519,111.963 L3_CAMIF_1.2@102.519,115.442 D22_CAMIF_1.1@102.519,134.725 D22_CAMIF_1.10@102.519,135.56 102.519,136.851 cw(c105.059,136.851) 103.263,138.647 J2_CAMIF_1.3@109.008,144.392 ; 104.568,109.792 C7_CAMIF_1.2@108.561,109.792
PoC_A_CAMIF_2: C7_CAMIF_2.2 D22_CAMIF_2.1 D22_CAMIF_2.10 J2_CAMIF_2.3 L3_CAMIF_2.2 | length 42.4
  TOP w0.355: 78.544,109.8 C7_CAMIF_2.2@82.537,109.8 ; 78.665,109.8 cw(c78.665,111.97) 78.66,109.8 cw(c78.665,111.97) 76.494,111.97 L3_CAMIF_2.2@76.495,115.45 D22_CAMIF_2.1@76.495,134.733 D22_CAMIF_2.10@76.495,135.568 76.495,136.859 cw(c79.035,136.859) 77.239,138.655 J2_CAMIF_2.3@82.983,144.4
PoC_B_CAMIF_1: C8_CAMIF_1.2 D22_CAMIF_1.5 D22_CAMIF_1.6 D34_CAMIF_1.5 D34_CAMIF_1.6 J2_CAMIF_1.4 L5_CAMIF_1.2 | length 28
  TOP w0.355: 105.151,124.425 ccw(c106.678,122.898) 104.519,122.898 104.519,119.95 ccw(c107.315,119.95) 105.338,117.973 106.225,117.086 ccw(c108.021,118.882) 108.021,116.342 C8_CAMIF_1.2@108.511,116.342 ; 105.152,124.425 107.928,127.201 ccw(c105.321,129.808) 109.008,129.808 L5_CAMIF_1.2@109.008,131.367 D34_CAMIF_1.5@109.008,134.732 D34_CAMIF_1.6@109.008,135.567 J2_CAMIF_1.4@109.008,140.392
PoC_B_CAMIF_2: C8_CAMIF_2.2 D22_CAMIF_2.5 D22_CAMIF_2.6 D34_CAMIF_2.5 D34_CAMIF_2.6 J2_CAMIF_2.4 L5_CAMIF_2.2 | length 28
  TOP w0.355: 79.127,124.432 ccw(c80.654,122.906) 78.495,122.906 78.495,119.958 ccw(c81.291,119.958) 79.314,117.981 80.201,117.094 ccw(c81.997,118.89) 81.997,116.35 C8_CAMIF_2.2@82.487,116.35 ; 79.128,124.433 81.904,127.209 ccw(c79.297,129.816) 82.983,129.816 L5_CAMIF_2.2@82.983,131.375 D34_CAMIF_2.5@82.983,134.74 D34_CAMIF_2.6@82.983,135.575 J2_CAMIF_2.4@82.983,140.4